# KiCad board hvd-50-ce-panel.kicad_pcb
title: Squishy - SCSI HVD Centronics 50 Connector Module; date: 2024-09-17; rev: 1; company: Shrine Maiden Heavy Industries; note: License: CERN-OHL-S; note: © 2024 Aki 'lethalbit' Van Ness, et. al.; note: No warranty expressed or implied; note: Squishy - SCSI Multitool
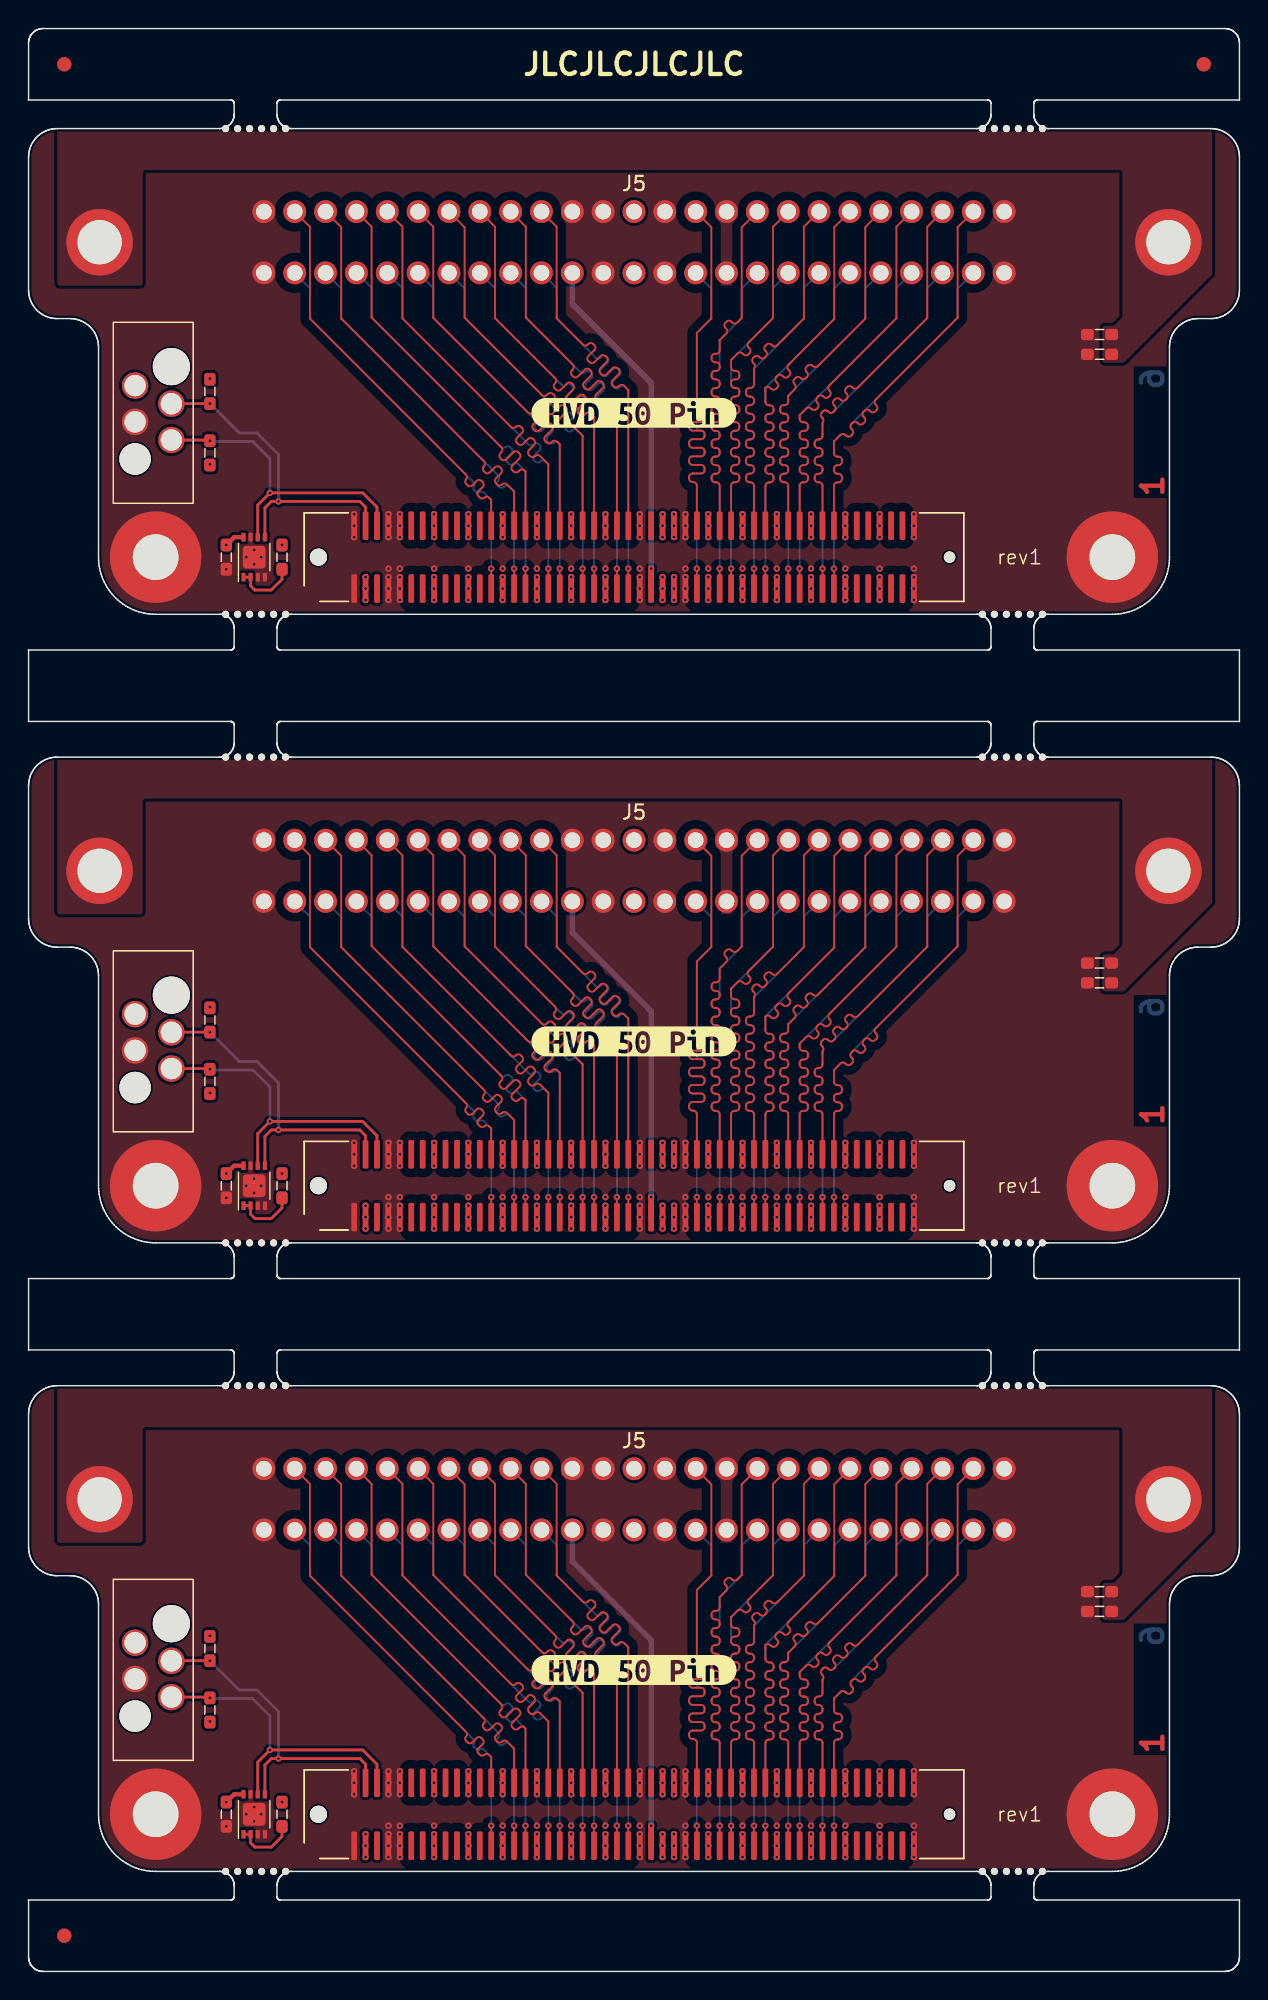
[diagram p0: board, top side]
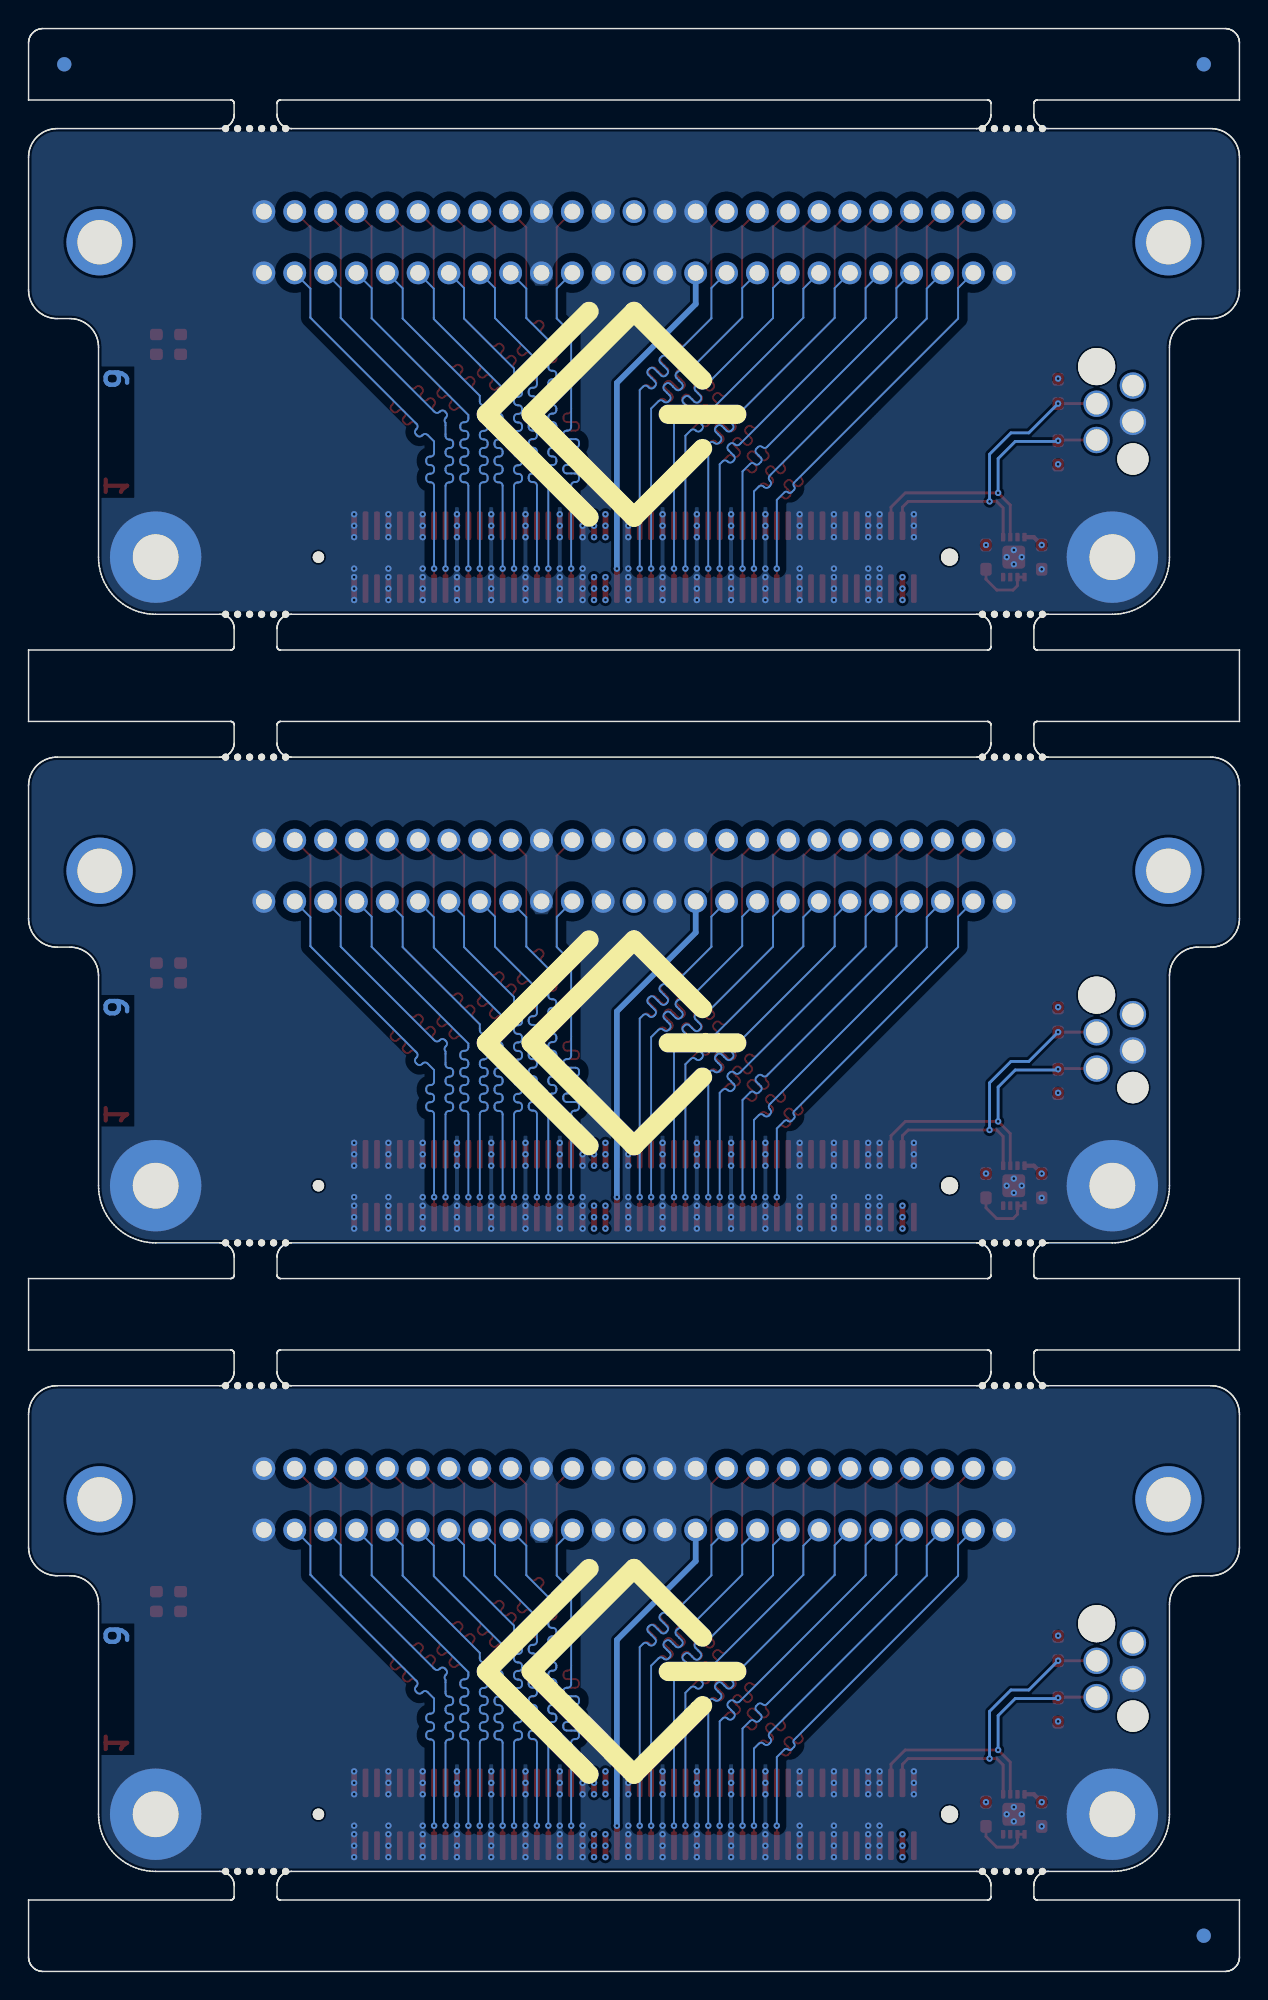
[diagram p1: board, bottom side, seen from below]

Outline 84.8 x 136 mm; copper layers: Top, In1.Cu, In2.Cu, In3.Cu, In4.Cu, Bottom. Coordinates in mm from the lower left corner of the outline.
Stack: Top 0.035mm / dielectric 0.2104mm FR4 er 4.4 / In1.Cu 0.0152mm / dielectric 0.4mm FR4 er 4.5 / In2.Cu 0.0152mm / dielectric 0.2028mm FR4 er 4.4 / In3.Cu 0.0152mm / dielectric 0.4mm FR4 er 4.6 / In4.Cu 0.0152mm / dielectric 0.2104mm FR4 er 4.4 / Bottom 0.035mm

## Placement (name value [footprint] x y rotation side)
C1  100n  [C0603]  13.85 11 90 top
C1#2  100n  [C0603]  13.85 55 90 top
C1#3  100n  [C0603]  13.85 99 90 top
C2  100n  [C0603]  75 114.59 180 top
C2#2  100n  [C0603]  75 26.59 180 top
C2#3  100n  [C0603]  75 70.59 180 top
H3  MountingHole  [MountingHole_3.2mm_M3_Pad]  8.9 11 0 top
H3#2  MountingHole  [MountingHole_3.2mm_M3_Pad]  8.9 55 0 top
H3#3  MountingHole  [MountingHole_3.2mm_M3_Pad]  8.9 99 0 top
H4  MountingHole  [MountingHole_3.2mm_M3_Pad]  75.9 55 0 top
H4#2  MountingHole  [MountingHole_3.2mm_M3_Pad]  75.9 11 0 top
H4#3  MountingHole  [MountingHole_3.2mm_M3_Pad]  75.9 99 0 top
J1  SCSI PHY Mezz  [1014457-10x80xLF]  42.4 55 180 top
J1#2  SCSI PHY Mezz  [1014457-10x80xLF]  42.4 99 180 top
J1#3  SCSI PHY Mezz  [1014457-10x80xLF]  42.4 11 180 top
J3  Conn_01x04  [490107670412-d]  7.46 23.01 90 top
J3#2  Conn_01x04  [490107670412-d]  7.46 111.01 90 top
J3#3  Conn_01x04  [490107670412-d]  7.46 67.01 90 top
J5  -  [112-050-213R001]  42.4 33.05 180 top
J5#2  -  [112-050-213R001]  42.4 121.05 180 top
J5#3  -  [112-050-213R001]  42.4 77.05 180 top
kibuzzard-672C6174  G***  [kibuzzard-672C6174]  42.4 65.1 0 top
kibuzzard-672C6174#2  G***  [kibuzzard-672C6174]  42.4 109.1 0 top
kibuzzard-672C6174#3  G***  [kibuzzard-672C6174]  42.4 21.1 0 top
KiKit_FID_B_1  -  [Fiducial]  2.5 133.5 0 bottom
KiKit_FID_B_2  -  [Fiducial]  82.3 133.5 0 bottom
KiKit_FID_B_3  -  [Fiducial]  2.5 2.5 0 bottom
KiKit_FID_T_1  -  [Fiducial]  2.5 133.5 0 top
KiKit_FID_T_2  -  [Fiducial]  82.3 133.5 0 top
KiKit_FID_T_3  -  [Fiducial]  2.5 2.5 0 top
KiKit_MB_1_1  -  [NPTH]  71 95 0 top
KiKit_MB_1_2  -  [NPTH]  70.16 95 0 top
KiKit_MB_1_3  -  [NPTH]  69.32 95 0 top
KiKit_MB_1_4  -  [NPTH]  68.48 95 0 top
KiKit_MB_1_5  -  [NPTH]  67.64 95 0 top
KiKit_MB_1_6  -  [NPTH]  66.8 95 0 top
KiKit_MB_2_1  -  [NPTH]  13.8 129 0 top
KiKit_MB_2_2  -  [NPTH]  14.64 129 0 top
KiKit_MB_2_3  -  [NPTH]  15.48 129 0 top
KiKit_MB_2_4  -  [NPTH]  16.32 129 0 top
KiKit_MB_2_5  -  [NPTH]  17.16 129 0 top
KiKit_MB_2_6  -  [NPTH]  18 129 0 top
KiKit_MB_3_1  -  [NPTH]  66.8 129 0 top
KiKit_MB_3_2  -  [NPTH]  67.64 129 0 top
KiKit_MB_3_3  -  [NPTH]  68.48 129 0 top
KiKit_MB_3_4  -  [NPTH]  69.32 129 0 top
KiKit_MB_3_5  -  [NPTH]  70.16 129 0 top
KiKit_MB_3_6  -  [NPTH]  71 129 0 top
KiKit_MB_4_1  -  [NPTH]  18 95 0 top
KiKit_MB_4_2  -  [NPTH]  17.16 95 0 top
KiKit_MB_4_3  -  [NPTH]  16.32 95 0 top
KiKit_MB_4_4  -  [NPTH]  15.48 95 0 top
KiKit_MB_4_5  -  [NPTH]  14.64 95 0 top
KiKit_MB_4_6  -  [NPTH]  13.8 95 0 top
KiKit_MB_5_1  -  [NPTH]  71 51 0 top
KiKit_MB_5_2  -  [NPTH]  70.16 51 0 top
KiKit_MB_5_3  -  [NPTH]  69.32 51 0 top
KiKit_MB_5_4  -  [NPTH]  68.48 51 0 top
KiKit_MB_5_5  -  [NPTH]  67.64 51 0 top
KiKit_MB_5_6  -  [NPTH]  66.8 51 0 top
KiKit_MB_6_1  -  [NPTH]  13.8 85 0 top
KiKit_MB_6_2  -  [NPTH]  14.64 85 0 top
KiKit_MB_6_3  -  [NPTH]  15.48 85 0 top
KiKit_MB_6_4  -  [NPTH]  16.32 85 0 top
KiKit_MB_6_5  -  [NPTH]  17.16 85 0 top
KiKit_MB_6_6  -  [NPTH]  18 85 0 top
KiKit_MB_7_1  -  [NPTH]  66.8 85 0 top
KiKit_MB_7_2  -  [NPTH]  67.64 85 0 top
KiKit_MB_7_3  -  [NPTH]  68.48 85 0 top
KiKit_MB_7_4  -  [NPTH]  69.32 85 0 top
KiKit_MB_7_5  -  [NPTH]  70.16 85 0 top
KiKit_MB_7_6  -  [NPTH]  71 85 0 top
KiKit_MB_8_1  -  [NPTH]  18 51 0 top
KiKit_MB_8_2  -  [NPTH]  17.16 51 0 top
KiKit_MB_8_3  -  [NPTH]  16.32 51 0 top
KiKit_MB_8_4  -  [NPTH]  15.48 51 0 top
KiKit_MB_8_5  -  [NPTH]  14.64 51 0 top
KiKit_MB_8_6  -  [NPTH]  13.8 51 0 top
KiKit_MB_9_1  -  [NPTH]  71 7 0 top
KiKit_MB_9_2  -  [NPTH]  70.16 7 0 top
KiKit_MB_9_3  -  [NPTH]  69.32 7 0 top
KiKit_MB_9_4  -  [NPTH]  68.48 7 0 top
KiKit_MB_9_5  -  [NPTH]  67.64 7 0 top
KiKit_MB_9_6  -  [NPTH]  66.8 7 0 top
KiKit_MB_10_1  -  [NPTH]  13.8 41 0 top
KiKit_MB_10_2  -  [NPTH]  14.64 41 0 top
KiKit_MB_10_3  -  [NPTH]  15.48 41 0 top
KiKit_MB_10_4  -  [NPTH]  16.32 41 0 top
KiKit_MB_10_5  -  [NPTH]  17.16 41 0 top
KiKit_MB_10_6  -  [NPTH]  18 41 0 top
KiKit_MB_11_1  -  [NPTH]  66.8 41 0 top
KiKit_MB_11_2  -  [NPTH]  67.64 41 0 top
KiKit_MB_11_3  -  [NPTH]  68.48 41 0 top
KiKit_MB_11_4  -  [NPTH]  69.32 41 0 top
KiKit_MB_11_5  -  [NPTH]  70.16 41 0 top
KiKit_MB_11_6  -  [NPTH]  71 41 0 top
KiKit_MB_12_1  -  [NPTH]  18 7 0 top
KiKit_MB_12_2  -  [NPTH]  17.16 7 0 top
KiKit_MB_12_3  -  [NPTH]  16.32 7 0 top
KiKit_MB_12_4  -  [NPTH]  15.48 7 0 top
KiKit_MB_12_5  -  [NPTH]  14.64 7 0 top
KiKit_MB_12_6  -  [NPTH]  13.8 7 0 top
R1  10k  [R0603]  17.75 11 90 top
R1#2  10k  [R0603]  17.75 55 90 top
R1#3  10k  [R0603]  17.75 99 90 top
R2  4k7  [R0603]  12.7 22.6 270 top
R2#2  4k7  [R0603]  12.7 66.6 270 top
R2#3  4k7  [R0603]  12.7 110.6 270 top
R3  4k7  [R0603]  12.7 18.3 90 top
R3#2  4k7  [R0603]  12.7 62.3 90 top
R3#3  4k7  [R0603]  12.7 106.3 90 top
R4  1M  [R0603]  75 25.2 0 top
R4#2  1M  [R0603]  75 69.2 0 top
R4#3  1M  [R0603]  75 113.2 0 top
U1  M24C02-RMC  [ST_UFDFPN-8-1EP_2x3mm_P0.5mm_EP1.6x1.6mm]  15.8 11 90 top
U1#2  M24C02-RMC  [ST_UFDFPN-8-1EP_2x3mm_P0.5mm_EP1.6x1.6mm]  15.8 55 90 top
U1#3  M24C02-RMC  [ST_UFDFPN-8-1EP_2x3mm_P0.5mm_EP1.6x1.6mm]  15.8 99 90 top

## Library data of the parts
C1 C1#2 C1#3 C2 C2#2 C2#3 = -: Datasheet: https://content.kemet.com/datasheets/KEM_C1006_X5R_SMD.pdf; MFR: KEMET; MPN: C0603C104M5RACTU; Tolerance: ±20% 50V; SUPPLIER: DigiKey; SUPPLIER_OC: 399-C0603C104M5RAC7867DKR-ND; SUPPLIER_URL: https://www.digikey.com/short/8nqzrr4b
H3 H3#2 H3#3 H4 H4#2 H4#3 = -: MFR: N/A; MPN: N/A
J1 J1#2 J1#3 = -: Datasheet: https://mm.digikey.com/Volume0/opasdata/d220001/medias/docus/6243/609_10144517.pdf; MFR: Amphenol ICC (FCI); MPN: 10144517-102802LF; SUPPLIER: DigiKey; SUPPLIER_OC: 609-5442-1-ND; SUPPLIER_URL: https://www.digikey.com/short/h831vwdf
J3 J3#2 J3#3 = -: Description: Generic connector, single row, 01x04, script generated (kicad-library-utils/schlib/autogen/connector/)
J5 J5#2 J5#3 = -: Datasheet: https://content.norcomp.net/rohspdfs/SCSI-050Ribbon/11Y/112/112-YYY-213RYY1.pdf; Description: Centronics 50-pin Connector; MFR: NorComp; URL: https://www.norcomp.net/series/112-series?search_part=112-050-213R001
R1 R1#2 R1#3 = -: Datasheet: https://www.vishay.com/docs/20035/dcrcwe3.pdf; MFR: Vishay Dale; MPN: CRCW060310K0FKEA; Tolerance: ±1% 1/10W; SUPPLIER: DigiKey; SUPPLIER_OC: 541-10.0KHDKR-ND; SUPPLIER_URL: https://www.digikey.com/short/478v2810
R2 R2#2 R2#3 R3 R3#2 R3#3 = -: Datasheet: https://www.vishay.com/docs/20035/dcrcwe3.pdf; MFR: Vishay Dale; MPN: CRCW06034K70FKEA; Tolerance: ±1% 1/10W; SUPPLIER: DigiKey; SUPPLIER_OC: 541-4.70KHDKR-ND; SUPPLIER_URL: https://www.digikey.com/short/f3fq37nd
R4 R4#2 R4#3 = -: SUPPLIER: DigiKey
U1 U1#2 U1#3 = -: Datasheet: https://www.st.com/content/ccc/resource/technical/document/datasheet/b0/d8/50/40/5a/85/49/6f/DM00071904.pdf/files/DM00071904.pdf/jcr:content/translations/en.DM00071904.pdf; Description: 2Kb (256x8) I2C Serial EEPROM, 1.8-5.5V,  UFDFPN8

## Footprints (pads in the part's own frame, mm; a bottom-side part is the same pattern mirrored in y, then rotated)
112-050-213R001
  round 1.6 hole 1.1: 1(25.92,2.145) 2(23.76,2.145) 3(21.6,2.145) 4(19.44,2.145) 5(17.28,2.145) 6(15.12,2.145) 7(12.96,2.145) 8(10.8,2.145) 9(8.64,2.145) 10(6.48,2.145) 11(4.32,2.145) 12(2.16,2.145) 13(0,2.145) 14(-2.16,2.145) 15(-4.32,2.145) 16(-6.48,2.145) 17(-8.64,2.145) 18(-10.8,2.145) 19(-12.96,2.145) 20(-15.12,2.145) 21(-17.28,2.145) 22(-19.44,2.145) 23(-21.6,2.145) 24(-23.76,2.145) 25(-25.92,2.145) 26(25.92,-2.145) 27(23.76,-2.145) 28(21.6,-2.145) 29(19.44,-2.145) 30(17.28,-2.145) 31(15.12,-2.145) 32(12.96,-2.145) 33(10.8,-2.145) 34(8.64,-2.145) 35(6.48,-2.145) 36(4.32,-2.145) 37(2.16,-2.145) 38(0,-2.145) 39(-2.16,-2.145) 40(-4.32,-2.145) 41(-6.48,-2.145) 42(-8.64,-2.145) 43(-10.8,-2.145) 44(-12.96,-2.145) 45(-15.12,-2.145) 46(-17.28,-2.145) 47(-19.44,-2.145) 48(-21.6,-2.145) 49(-23.76,-2.145) 50(-25.92,-2.145)
  round 4.65 hole 3.1: SHIELD(-37.425,0) SHIELD(37.425,0)
1014457-10x80xLF
  round 0.8 hole 0.8 unplated: (-22.1,0)
  round 1.2 hole 1.2 unplated: (22.1,0)
  rrect 0.4x2 smd: 1(19.6,2.2) 2(19.6,-2.2) 3(18.8,2.2) 4(18.8,-2.2) 5(18,2.2) 6(18,-2.2) 7(17.2,2.2) 8(17.2,-2.2) 9(16.4,2.2) 10(16.4,-2.2) 11(15.6,2.2) 12(15.6,-2.2) 13(14.8,2.2) 14(14.8,-2.2) 15(14,2.2) 16(14,-2.2) 17(13.2,2.2) 18(13.2,-2.2) 19(12.4,2.2) 20(12.4,-2.2) 21(11.6,2.2) 22(11.6,-2.2) 23(10.8,2.2) 24(10.8,-2.2) 25(10,2.2) 26(10,-2.2) 27(9.2,2.2) 28(9.2,-2.2) 29(8.4,2.2) 30(8.4,-2.2) 31(7.6,2.2) 32(7.6,-2.2) 33(6.8,2.2) 34(6.8,-2.2) 35(6,2.2) 36(6,-2.2) 37(5.2,2.2) 38(5.2,-2.2) 39(4.4,2.2) 40(4.4,-2.2) 41(3.6,2.2) 42(3.6,-2.2) 43(2.8,2.2) 44(2.8,-2.2) 45(2,2.2) 46(2,-2.2) 47(1.2,2.2) 48(1.2,-2.2) 49(0.4,2.2) 50(0.4,-2.2) 51(-0.4,2.2) 52(-0.4,-2.2) 53(-1.2,2.2) 54(-1.2,-2.2) 55(-2,2.2) 56(-2,-2.2) 57(-2.8,2.2) 58(-2.8,-2.2) 59(-3.6,2.2) 60(-3.6,-2.2) 61(-4.4,2.2) 62(-4.4,-2.2) 63(-5.2,2.2) 64(-5.2,-2.2) 65(-6,2.2) 66(-6,-2.2) 67(-6.8,2.2) 68(-6.8,-2.2) 69(-7.6,2.2) 70(-7.6,-2.2) 71(-8.4,2.2) 72(-8.4,-2.2) 73(-9.2,2.2) 74(-9.2,-2.2) 75(-10,2.2) 76(-10,-2.2) 77(-10.8,2.2) 78(-10.8,-2.2) 79(-11.6,2.2) 80(-11.6,-2.2) 81(-12.4,2.2) 82(-12.4,-2.2) 83(-13.2,2.2) 84(-13.2,-2.2) 85(-14,2.2) 86(-14,-2.2) 87(-14.8,2.2) 88(-14.8,-2.2) 89(-15.6,2.2) 90(-15.6,-2.2) 91(-16.4,2.2) 92(-16.4,-2.2) 93(-17.2,2.2) 94(-17.2,-2.2) 95(-18,2.2) 96(-18,-2.2) 97(-18.8,2.2) 98(-18.8,-2.2) 99(-19.6,2.2) 100(-19.6,-2.2)
490107670412-d
  round 2.2 hole 2.2 unplated: (-5.14,0)
  round 2.6 hole 2.6 unplated: (1.33,-2.54)
  round 1.85 hole 1.5: 1(0,0) 2(-1.27,-2.54) 3(-2.54,0) 4(-3.81,-2.54)
C0603
  rrect 0.9x0.8 smd: 1(-0.85,0) 2(0.85,0)
Fiducial
  round 1 smd: (0,0)
MountingHole_3.2mm_M3_Pad
  round 6.4 hole 3.2: 1(0,0)
NPTH
  round 0.5 hole 0.5 unplated: (0,0)
R0603
  rrect 0.9x0.8 smd: 1(-0.85,0) 2(0.85,0)
ST_UFDFPN-8-1EP_2x3mm_P0.5mm_EP1.6x1.6mm
  rrect 0.5x0.5 smd: (-0.45,0.45) (-0.45,-0.45) (0,0) (0.45,0.45) (0.45,-0.45)
  rrect 0.6x0.3 smd: 1(-1.4,0.75) 2(-1.4,0.25) 3(-1.4,-0.25) 4(-1.4,-0.75) 5(1.4,-0.75) 6(1.4,-0.25) 7(1.4,0.25) 8(1.4,0.75)
  rrect 1.6x1.6 smd: EP(0,0)

## Nets
Board_0-+3V3: C1#3.2 J1#2.3 J3#2.1 R1#3.2 R2#3.1 R3#3.1 U1#3.8
Board_0-/CON.ACK+: J1#2.67 J5#2.18
Board_0-/CON.ACK-: J1#2.68 J5#2.43
Board_0-/CON.ATN+: J1#2.61 J5#2.15
Board_0-/CON.ATN-: J1#2.62 J5#2.40
Board_0-/CON.BSY+: J1#2.65 J5#2.17
Board_0-/CON.BSY-: J1#2.66 J5#2.42
Board_0-/CON.C/D+: J1#2.79 J5#2.22
Board_0-/CON.C/D-: J1#2.80 J5#2.47
Board_0-/CON.DB0+: J1#2.25 J5#2.2
Board_0-/CON.DB0-: J1#2.26 J5#2.27
Board_0-/CON.DB1+: J1#2.29 J5#2.3
Board_0-/CON.DB1-: J1#2.30 J5#2.28
Board_0-/CON.DB2+: J1#2.31 J5#2.4
Board_0-/CON.DB2-: J1#2.32 J5#2.29
Board_0-/CON.DB3+: J1#2.35 J5#2.5
Board_0-/CON.DB3-: J1#2.36 J5#2.30
Board_0-/CON.DB4+: J1#2.37 J5#2.6
Board_0-/CON.DB4-: J1#2.38 J5#2.31
Board_0-/CON.DB5+: J1#2.41 J5#2.7
Board_0-/CON.DB5-: J1#2.42 J5#2.32
Board_0-/CON.DB6+: J1#2.43 J5#2.8
Board_0-/CON.DB6-: J1#2.44 J5#2.33
Board_0-/CON.DB7+: J1#2.47 J5#2.9
Board_0-/CON.DB7-: J1#2.48 J5#2.34
Board_0-/CON.DB8+: J1#2.89
Board_0-/CON.DB8-: J1#2.90
Board_0-/CON.DB9+: J1#2.91
Board_0-/CON.DB9-: J1#2.92
Board_0-/CON.DB10+: J1#2.95
Board_0-/CON.DB10-: J1#2.96
Board_0-/CON.DB11+: J1#2.97
Board_0-/CON.DB11-: J1#2.98
Board_0-/CON.DB12+: J1#2.11
Board_0-/CON.DB12-: J1#2.12
Board_0-/CON.DB13+: J1#2.13
Board_0-/CON.DB13-: J1#2.14
Board_0-/CON.DB14+: J1#2.17
Board_0-/CON.DB14-: J1#2.18
Board_0-/CON.DB15+: J1#2.19
Board_0-/CON.DB15-: J1#2.20
Board_0-/CON.DIFFSENSE: J1#2.53 J5#2.11
Board_0-/CON.DP0+: J1#2.49 J5#2.10
Board_0-/CON.DP0-: J1#2.50 J5#2.35
Board_0-/CON.DP1+: J1#2.23
Board_0-/CON.DP1-: J1#2.24
Board_0-/CON.I/O+: J1#2.85 J5#2.24
Board_0-/CON.I/O-: J1#2.86 J5#2.49
Board_0-/CON.MSG+: J1#2.73 J5#2.20
Board_0-/CON.MSG-: J1#2.74 J5#2.45
Board_0-/CON.REQ+: J1#2.83 J5#2.23
Board_0-/CON.REQ-: J1#2.84 J5#2.48
Board_0-/CON.RST+: J1#2.71 J5#2.19
Board_0-/CON.RST-: J1#2.72 J5#2.44
Board_0-/CON.SEL+: J1#2.77 J5#2.21
Board_0-/CON.SEL-: J1#2.78 J5#2.46
Board_0-/CON.TERMPWR: J1#2.55 J1#2.56 J1#2.57 J1#2.58 J5#2.13 J5#2.38
Board_0-/PHY.ID_SCL: J1#2.6 J3#2.4 R3#3.2 U1#3.6
Board_0-/PHY.ID_SDA: J1#2.4 J3#2.2 R2#3.2 U1#3.5
Board_0-GND: C1#3.1 C2.2 H3#3.1 H4#3.1 J1#2.1 J1#2.2 J1#2.7 J1#2.8 J1#2.9 J1#2.10 J1#2.15 J1#2.16 J1#2.21 J1#2.22 J1#2.27 J1#2.28 J1#2.33 J1#2.34 J1#2.39 J1#2.40 J1#2.45 J1#2.46 J1#2.51 J1#2.52 J1#2.59 J1#2.60 J1#2.63 J1#2.64 J1#2.69 J1#2.70 J1#2.75 J1#2.76 J1#2.81 J1#2.82 J1#2.87 J1#2.88 J1#2.93 J1#2.94 J1#2.99 J1#2.100 J3#2.3 J5#2.1 J5#2.12 J5#2.14 J5#2.16 J5#2.25 J5#2.26 J5#2.36 J5#2.37 J5#2.39 J5#2.41 J5#2.50 R4#3.1 U1#3.3 U1#3.4 U1#3.7 U1#3.EP
Board_0-Net-(C2-Pad1): C2.1 J5#2.SHIELD R4#3.2
Board_0-Net-(U1-E0): R1#3.1 U1#3.1 U1#3.2
Board_0-unconnected-(J1-Pin_5-Pad5): J1#2.5
Board_0-unconnected-(J1-Pin_54-Pad54): J1#2.54
Board_1-+3V3: C1#2.2 J1.3 J3#3.1 R1#2.2 R2#2.1 R3#2.1 U1#2.8
Board_1-/CON.ACK+: J1.67 J5#3.18
Board_1-/CON.ACK-: J1.68 J5#3.43
Board_1-/CON.ATN+: J1.61 J5#3.15
Board_1-/CON.ATN-: J1.62 J5#3.40
Board_1-/CON.BSY+: J1.65 J5#3.17
Board_1-/CON.BSY-: J1.66 J5#3.42
Board_1-/CON.C/D+: J1.79 J5#3.22
Board_1-/CON.C/D-: J1.80 J5#3.47
Board_1-/CON.DB0+: J1.25 J5#3.2
Board_1-/CON.DB0-: J1.26 J5#3.27
Board_1-/CON.DB1+: J1.29 J5#3.3
Board_1-/CON.DB1-: J1.30 J5#3.28
Board_1-/CON.DB2+: J1.31 J5#3.4
Board_1-/CON.DB2-: J1.32 J5#3.29
Board_1-/CON.DB3+: J1.35 J5#3.5
Board_1-/CON.DB3-: J1.36 J5#3.30
Board_1-/CON.DB4+: J1.37 J5#3.6
Board_1-/CON.DB4-: J1.38 J5#3.31
Board_1-/CON.DB5+: J1.41 J5#3.7
Board_1-/CON.DB5-: J1.42 J5#3.32
Board_1-/CON.DB6+: J1.43 J5#3.8
Board_1-/CON.DB6-: J1.44 J5#3.33
Board_1-/CON.DB7+: J1.47 J5#3.9
Board_1-/CON.DB7-: J1.48 J5#3.34
Board_1-/CON.DB8+: J1.89
Board_1-/CON.DB8-: J1.90
Board_1-/CON.DB9+: J1.91
Board_1-/CON.DB9-: J1.92
Board_1-/CON.DB10+: J1.95
Board_1-/CON.DB10-: J1.96
Board_1-/CON.DB11+: J1.97
Board_1-/CON.DB11-: J1.98
Board_1-/CON.DB12+: J1.11
Board_1-/CON.DB12-: J1.12
Board_1-/CON.DB13+: J1.13
Board_1-/CON.DB13-: J1.14
Board_1-/CON.DB14+: J1.17
Board_1-/CON.DB14-: J1.18
Board_1-/CON.DB15+: J1.19
Board_1-/CON.DB15-: J1.20
Board_1-/CON.DIFFSENSE: J1.53 J5#3.11
Board_1-/CON.DP0+: J1.49 J5#3.10
Board_1-/CON.DP0-: J1.50 J5#3.35
Board_1-/CON.DP1+: J1.23
Board_1-/CON.DP1-: J1.24
Board_1-/CON.I/O+: J1.85 J5#3.24
Board_1-/CON.I/O-: J1.86 J5#3.49
Board_1-/CON.MSG+: J1.73 J5#3.20
Board_1-/CON.MSG-: J1.74 J5#3.45
Board_1-/CON.REQ+: J1.83 J5#3.23
Board_1-/CON.REQ-: J1.84 J5#3.48
Board_1-/CON.RST+: J1.71 J5#3.19
Board_1-/CON.RST-: J1.72 J5#3.44
Board_1-/CON.SEL+: J1.77 J5#3.21
Board_1-/CON.SEL-: J1.78 J5#3.46
Board_1-/CON.TERMPWR: J1.55 J1.56 J1.57 J1.58 J5#3.13 J5#3.38
Board_1-/PHY.ID_SCL: J1.6 J3#3.4 R3#2.2 U1#2.6
Board_1-/PHY.ID_SDA: J1.4 J3#3.2 R2#2.2 U1#2.5
Board_1-GND: C1#2.1 C2#3.2 H3#2.1 H4.1 J1.1 J1.2 J1.7 J1.8 J1.9 J1.10 J1.15 J1.16 J1.21 J1.22 J1.27 J1.28 J1.33 J1.34 J1.39 J1.40 J1.45 J1.46 J1.51 J1.52 J1.59 J1.60 J1.63 J1.64 J1.69 J1.70 J1.75 J1.76 J1.81 J1.82 J1.87 J1.88 J1.93 J1.94 J1.99 J1.100 J3#3.3 J5#3.1 J5#3.12 J5#3.14 J5#3.16 J5#3.25 J5#3.26 J5#3.36 J5#3.37 J5#3.39 J5#3.41 J5#3.50 R4#2.1 U1#2.3 U1#2.4 U1#2.7 U1#2.EP
Board_1-Net-(C2-Pad1): C2#3.1 J5#3.SHIELD R4#2.2
Board_1-Net-(U1-E0): R1#2.1 U1#2.1 U1#2.2
Board_1-unconnected-(J1-Pin_5-Pad5): J1.5
Board_1-unconnected-(J1-Pin_54-Pad54): J1.54
Board_2-+3V3: C1.2 J1#3.3 J3.1 R1.2 R2.1 R3.1 U1.8
Board_2-/CON.ACK+: J1#3.67 J5.18
Board_2-/CON.ACK-: J1#3.68 J5.43
Board_2-/CON.ATN+: J1#3.61 J5.15
Board_2-/CON.ATN-: J1#3.62 J5.40
Board_2-/CON.BSY+: J1#3.65 J5.17
Board_2-/CON.BSY-: J1#3.66 J5.42
Board_2-/CON.C/D+: J1#3.79 J5.22
Board_2-/CON.C/D-: J1#3.80 J5.47
Board_2-/CON.DB0+: J1#3.25 J5.2
Board_2-/CON.DB0-: J1#3.26 J5.27
Board_2-/CON.DB1+: J1#3.29 J5.3
Board_2-/CON.DB1-: J1#3.30 J5.28
Board_2-/CON.DB2+: J1#3.31 J5.4
Board_2-/CON.DB2-: J1#3.32 J5.29
Board_2-/CON.DB3+: J1#3.35 J5.5
Board_2-/CON.DB3-: J1#3.36 J5.30
Board_2-/CON.DB4+: J1#3.37 J5.6
Board_2-/CON.DB4-: J1#3.38 J5.31
Board_2-/CON.DB5+: J1#3.41 J5.7
Board_2-/CON.DB5-: J1#3.42 J5.32
Board_2-/CON.DB6+: J1#3.43 J5.8
Board_2-/CON.DB6-: J1#3.44 J5.33
Board_2-/CON.DB7+: J1#3.47 J5.9
Board_2-/CON.DB7-: J1#3.48 J5.34
Board_2-/CON.DB8+: J1#3.89
Board_2-/CON.DB8-: J1#3.90
Board_2-/CON.DB9+: J1#3.91
Board_2-/CON.DB9-: J1#3.92
Board_2-/CON.DB10+: J1#3.95
Board_2-/CON.DB10-: J1#3.96
Board_2-/CON.DB11+: J1#3.97
Board_2-/CON.DB11-: J1#3.98
Board_2-/CON.DB12+: J1#3.11
Board_2-/CON.DB12-: J1#3.12
Board_2-/CON.DB13+: J1#3.13
Board_2-/CON.DB13-: J1#3.14
Board_2-/CON.DB14+: J1#3.17
Board_2-/CON.DB14-: J1#3.18
Board_2-/CON.DB15+: J1#3.19
Board_2-/CON.DB15-: J1#3.20
Board_2-/CON.DIFFSENSE: J1#3.53 J5.11
Board_2-/CON.DP0+: J1#3.49 J5.10
Board_2-/CON.DP0-: J1#3.50 J5.35
Board_2-/CON.DP1+: J1#3.23
Board_2-/CON.DP1-: J1#3.24
Board_2-/CON.I/O+: J1#3.85 J5.24
Board_2-/CON.I/O-: J1#3.86 J5.49
Board_2-/CON.MSG+: J1#3.73 J5.20
Board_2-/CON.MSG-: J1#3.74 J5.45
Board_2-/CON.REQ+: J1#3.83 J5.23
Board_2-/CON.REQ-: J1#3.84 J5.48
Board_2-/CON.RST+: J1#3.71 J5.19
Board_2-/CON.RST-: J1#3.72 J5.44
Board_2-/CON.SEL+: J1#3.77 J5.21
Board_2-/CON.SEL-: J1#3.78 J5.46
Board_2-/CON.TERMPWR: J1#3.55 J1#3.56 J1#3.57 J1#3.58 J5.13 J5.38
Board_2-/PHY.ID_SCL: J1#3.6 J3.4 R3.2 U1.6
Board_2-/PHY.ID_SDA: J1#3.4 J3.2 R2.2 U1.5
Board_2-GND: C1.1 C2#2.2 H3.1 H4#2.1 J1#3.1 J1#3.2 J1#3.7 J1#3.8 J1#3.9 J1#3.10 J1#3.15 J1#3.16 J1#3.21 J1#3.22 J1#3.27 J1#3.28 J1#3.33 J1#3.34 J1#3.39 J1#3.40 J1#3.45 J1#3.46 J1#3.51 J1#3.52 J1#3.59 J1#3.60 J1#3.63 J1#3.64 J1#3.69 J1#3.70 J1#3.75 J1#3.76 J1#3.81 J1#3.82 J1#3.87 J1#3.88 J1#3.93 J1#3.94 J1#3.99 J1#3.100 J3.3 J5.1 J5.12 J5.14 J5.16 J5.25 J5.26 J5.36 J5.37 J5.39 J5.41 J5.50 R4.1 U1.3 U1.4 U1.7 U1.EP
Board_2-Net-(C2-Pad1): C2#2.1 J5.SHIELD R4.2
Board_2-Net-(U1-E0): R1.1 U1.1 U1.2
Board_2-unconnected-(J1-Pin_5-Pad5): J1#3.5
Board_2-unconnected-(J1-Pin_54-Pad54): J1#3.54

## Via types
v1: diameter 0.45, hole 0.2, Top to Bottom, 507 vias

## Routing (per net, layer and track width the routed paths; a pad name or vN(x,y) marks a point on that pad's centre or on a via; arc(x,y) is an arc through that point)
Board_0-+3V3: length 1.4
  Top w0.3: v1(13.85,99.85) 14.4,100.4 U1#3.8
  vias: v1(12.7,111.5) v1(12.7,105.5) v1(17.75,99.85) v1(23.6,97.6) v1(23.6,96.8) v1(23.6,96)
Board_0-/CON.ACK+: length 28.2
  Top w0.128: J1#2.67 v1(49.2,98.2)
  Bottom w0.128: J5#2.18 52.14,117.84 52.14,115.74 49.2,112.8 49.2,111.1 arc(49.27,110.93) 49.44,110.86 49.54,110.86 arc(49.71,110.79) 49.78,110.62 49.78,110.5 arc(49.71,110.33) 49.54,110.26 49.44,110.26 arc(49.27,110.19) 49.2,110.02 49.2,109.9 arc(49.27,109.73) 49.44,109.66 49.54,109.66 arc(49.71,109.59) 49.78,109.42 49.78,109.3 arc(49.71,109.13) 49.54,109.06 49.44,109.06 arc(49.27,108.99) 49.2,108.82 49.2,108.7 arc(49.27,108.53) 49.44,108.46 49.54,108.46 arc(49.71,108.39) 49.78,108.22 49.78,108.1 arc(49.71,107.93) 49.54,107.86 49.44,107.86 arc(49.27,107.79) 49.2,107.62 49.2,107.5 arc(49.27,107.33) 49.44,107.26 49.54,107.26 arc(49.71,107.19) 49.78,107.02 49.78,106.9 arc(49.71,106.73) 49.54,106.66 49.44,106.66 arc(49.27,106.59) 49.2,106.42 49.2,106.3 arc(49.27,106.13) 49.44,106.06 49.54,106.06 arc(49.71,105.99) 49.78,105.82 49.78,105.7 arc(49.71,105.53) 49.54,105.46 49.44,105.46 arc(49.27,105.39) 49.2,105.22 49.2,105.1 arc(49.27,104.93) 49.44,104.86 49.54,104.86 arc(49.71,104.79) 49.78,104.62 49.78,104.5 arc(49.71,104.33) 49.54,104.26 49.44,104.26 arc(49.27,104.19) 49.2,104.02 v1(49.2,98.2)
Board_0-/CON.ACK-: length 29.6
  Top w0.128: J1#2.68 49.2,104 arc(49.27,104.17) 49.44,104.24 49.54,104.24 arc(49.71,104.32) 49.78,104.48 49.78,104.6 arc(49.71,104.77) 49.54,104.84 49.44,104.84 arc(49.27,104.92) 49.2,105.08 49.2,105.2 arc(49.27,105.37) 49.44,105.44 49.54,105.44 arc(49.71,105.52) 49.78,105.68 49.78,105.8 arc(49.71,105.97) 49.54,106.04 49.44,106.04 arc(49.27,106.12) 49.2,106.28 49.2,106.4 arc(49.27,106.57) 49.44,106.64 49.54,106.64 arc(49.71,106.72) 49.78,106.88 49.78,107 arc(49.71,107.17) 49.54,107.24 49.44,107.24 arc(49.27,107.32) 49.2,107.48 49.2,107.6 arc(49.27,107.77) 49.44,107.84 49.54,107.84 arc(49.71,107.92) 49.78,108.08 49.78,108.2 arc(49.71,108.37) 49.54,108.44 49.44,108.44 arc(49.27,108.52) 49.2,108.68 49.2,108.8 arc(49.27,108.97) 49.44,109.04 49.54,109.04 arc(49.71,109.12) 49.78,109.28 49.78,109.4 arc(49.71,109.57) 49.54,109.64 49.44,109.64 arc(49.27,109.72) 49.2,109.88 49.2,110 arc(49.27,110.17) 49.44,110.24 49.54,110.24 arc(49.71,110.32) 49.78,110.48 49.78,110.6 arc(49.71,110.77) 49.54,110.84 49.44,110.84 arc(49.27,110.92) 49.2,111.08 49.2,111.2 arc(49.27,111.37) 49.44,111.44 49.54,111.44 arc(49.71,111.52) 49.78,111.68 49.78,111.8 arc(49.71,111.97) 49.54,112.04 49.44,112.04 arc(49.27,112.12) 49.2,112.28 49.2,112.8 49.66,113.26 arc(49.83,113.33) 50,113.26 50.07,113.19 arc(50.24,113.12) 50.41,113.19 50.49,113.28 arc(50.56,113.45) 50.49,113.62 50.42,113.69 arc(50.35,113.86) 50.42,114.03 52.14,115.74 52.14,122.13 J5#2.43